# KiCad board Rogelio Pineda 3;16 AM-AMLDC-2044B.kicad_pcb (continued)
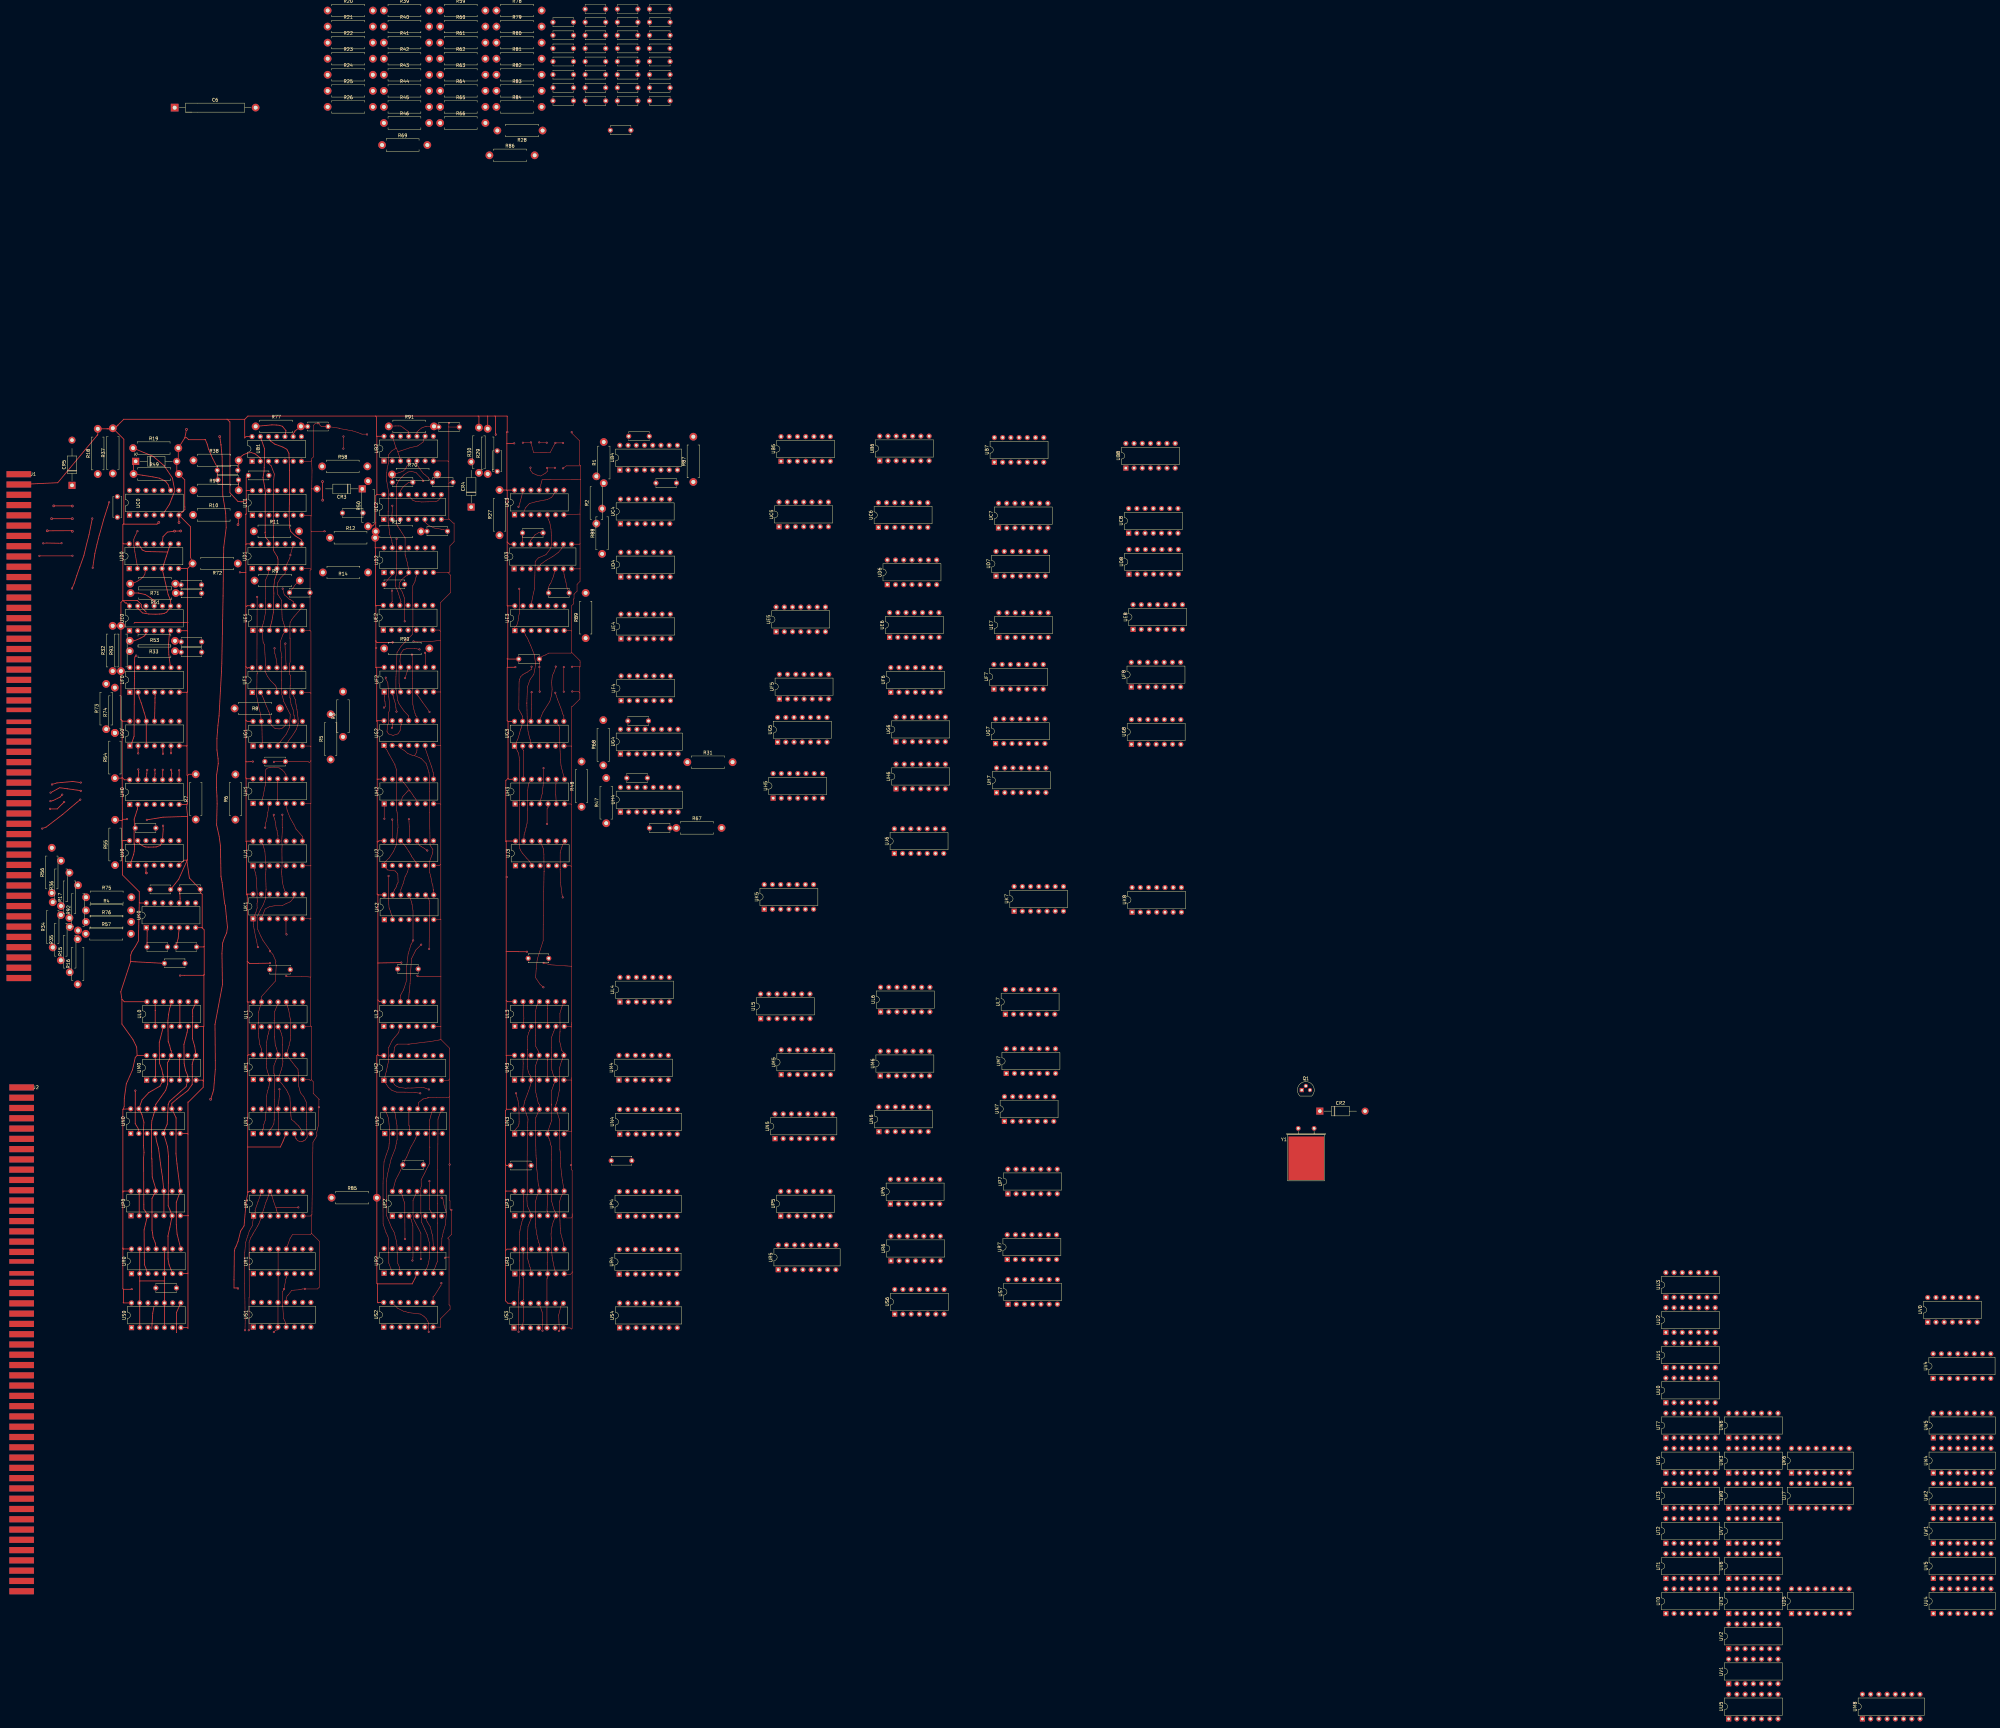
[diagram p0: board, top side]
## Routing (per net, layer and track width the routed paths; a pad name or vN(x,y) marks a point on that pad's centre or on a via; arc(x,y) is an arc through that point) (continued)
L3p10: length 7.6
  Top w0.15: UL3.5 239.07,219.42 239.05,219.44 239.07,219.46 UL3.10
L3p11: length 78.2
  Top w0.15: UR3.11 236.54,146.55 236.34,147.03 235.99,148.29 235.7,149.71 235.41,151.64 235.31,152.83 235.26,159.6 235.9,161.95 UP3.11 236.33,164.68 236.16,165.01 235.73,169.52 235.6,170.33 235.51,173.1 235.45,173.99 235.34,179 235.25,184.04 235.39,185.7 UN3.11 236.48,189.74 236.15,190.16 235.69,192.26 235.26,193.97 235.3,199.79 235.34,200.44 235.34,201.82 235.97,203.71 UM3.11 236.22,205.13 236.22,206.12 235.38,207.69 235.24,209.36 235.27,211.12 235.28,218.4 235.6,219.91 235.9,220.76 UL3.11
L3p13: length 7.7
  Top w0.15: UL3.2 231.71,216.29 231.57,219.6 231.71,221.23 UL3.13
M0p10: length 7.6
  Top w0.25: UM0.10 UM0.5
M0p13: length 7.6
  Top w0.25: 117.76,197.25 118.01,199.44 117.95,203.35 UM0.13
M2p2: length 12.7
  Top w0.15: UM2.2 191.76,195.83 192.34,195.43 193.14,195.04 195.12,194.76 195.85,194.83 197.15,194.82 200.13,194.98 200.78,194.97 201.62,194.65 v1(202.38,194.38) 202.48,194.28
M3p10: length 7.7
  Top w0.15: UM3.5 238.98,203.29 239.04,203.35 238.98,203.42 UM3.10
M3p13: length 7.6
  Top w0.15: UM3.2 231.49,202.51 231.44,203.54 231.49,203.89 UM3.13
N0p2: length 13.7
  Top w0.25: 111.88,194.07 111.85,194.04 v1(111.72,194.04) 111.72,193.91 111.71,193.91 111.7,183.82 112.76,182.03 UN0.2
N0p4: length 25.6
  Top w0.25: UN0.4 118.24,178.54 118.89,176.23 119.76,169.56 120.1,167.4 UP0.10 UP0.5
N1p4: length 13.8
  Top w0.15: 156.26,194.46 v1(156.23,194.46) 156.17,192.18 156.08,191.06 155.99,190.3 155.77,189.58 155.78,189.55 UN1.13 155.83,187.33 155.9,185.48 155.93,181.97 UN1.4
N1p7: length 36.1
  Top w0.15: UN1.7 162.75,182.33 162.31,182.83 162.14,183.14 161.43,183.75 160.91,184.34 159.89,185.15 159.77,186.34 159.46,192.11 ; 159.39,192.16 158.76,193.5 158.49,194.13 157.61,195.3 157.09,196.02 UM1.4 156.78,200.41 157.22,202.03 157.31,203 157.24,203.59 157.11,206.51 157.11,208.13 157.15,208.16 157.15,210.33 156.82,211.71 156.47,212.63 155.81,213.45 UL1.4
N2p5: length 19.6
  Top w0.15: UP2.14 191.55,164.21 191.71,165.02 192.09,166.39 193.6,169.31 C69.1 195.01,172.65 195.48,173.42 196.73,176.43 197.97,178.61 UN2.5
N2p9: length 51.4
  Top w0.15: 205.08,144.41 205.04,144.44 ; 205.04,144.44 205.04,141.29 204.72,140.65 204.37,139.6 203.79,138.33 UR2.7 ; 205.04,144.44 205.04,153.09 205.11,153.16 205.11,159.26 205.08,159.3 205.08,169.72 205.18,180.67 205.18,185.24 205.9,187.24 UN2.9
N2p10: length 52.6
  Top w0.15: UN2.10 203.35,187.61 202.91,186.08 202.61,184.88 202.49,182.89 202.51,182.79 202.58,176.63 202.7,176.52 202.63,176.45 202.56,171.47 201.68,169.8 201.05,168.5 199.99,166.46 200.01,164.54 199.85,163.78 199.9,163.73 199.9,156.16 199.85,156.11 199.94,156.02 200.13,153.42 201.12,151.2 201.86,149.51 202.49,147.14 202.49,142.19 202.35,141.21 202.1,140.19 201.72,139.11 201.25,138.42 UR2.6
N2p13: length 7.8
  Top w0.15: UN2.4 196.37,183.09 196.2,183.26 196.2,188.22 UN2.13
N2p15: length 52.2
  Top w0.15: UN2.15 191.91,187.22 192.42,183.89 192.53,183.32 192.56,178.93 192.31,177.81 192.07,176.35 190.72,172.92 189.67,168.5 189.24,166.1 189.22,161.35 189.33,155.36 190.31,153.09 190.79,151.83 191.69,150.18 192.39,147.41 192.51,146.33 192.58,143.8 192.6,143.56 192.79,140.62 193.35,139.32 193.51,137.73 UR2.3
N2p16: length 51.9
  Top w0.15: UN2.16 189.13,187.5 189.92,185.48 190.23,181.95 190.18,181.9 190.18,178.99 190.23,178.94 190.1,177.61 190.02,176.51 189.21,174.2 188.53,172.03 188.27,167.01 188.22,165.46 188.22,160.78 188.29,160.7 188.19,160.59 188.24,152.84 189.11,150.31 189.65,149.13 190,148.05 189.97,145.59 190,144.02 190,140.75 190.65,139 UR2.2
N3p1: length 13.3
  Top w0.15: 229.38,193.08 v1(229.27,193.19) 229.61,191.89 229.89,191 230.01,190.15 230.18,189.21 230.23,184.4 230.21,183.74 229.98,183.06 228.86,181.72 UN3.1
P0p13: length 7.6
  Top w0.25: UP0.13 UP0.2
P1p12: length 59.7
  Top w0.15: 155.08,157.94 155.28,157.46 155.36,156.98 ; 155.08,157.94 162.04,157.94 v1(162.06,157.97) 162.09,157.94 162.21,157.94 ; 155.08,157.94 154.42,159.84 153.99,161.25 UP1.12 152.43,160.45 152.05,159.56 151.54,157.94 151.21,156.95 UP1.2 149.9,152.98 149.52,152.25 148.78,151.01 148.13,149.95 147.9,149.47 147.37,148.61 146.86,147.24 146.91,130.22 146.84,130.15 146.84,120.11 v1(146.76,120.03) 146.84,119.95 146.84,119.93 ; 155.35,157.06 UP1.4
P1p13: length 43.9
  Top w0.15: UP1.13 149.6,159.68 148.69,157.05 148.76,156.58 UP1.1 147.85,152.31 146.92,150.66 146.5,149.36 145.78,147.11 145.53,143.99 145.5,134.33 145.65,122.92 v1(145.6,120.03) 145.63,119.93
P2p3: length 14.3
  Top w0.15: 197.23,141.46 197.3,141.53 v1(197.3,141.56) 197.33,141.56 197.43,141.66 197.43,142.58 197.46,142.61 197.46,145.85 197.43,145.89 197.43,152.28 196.92,154.2 UP2.3
P2p5: length 10.5
  Top w0.15: UP2.5 201.82,153.59 202.78,152.03 203.33,149.8 203.56,149.27 UR2.10
P2p6: length 11.2
  Top w0.15: 202.55,166.03 v1(202.53,166.08) 202.58,157.46 202.74,157.02 203.02,156.62 203.26,156.2 203.7,155.41 UP2.6
P2p11: length 21.9
  Top w0.15: 197.68,154.48 197.45,155.86 197.49,155.9 197.49,160.19 197.76,160.83 UP2.11 ; 199.91,141.81 v1(199.91,142.05) 199.91,149.99 197.65,154.4
P2p13: length 15.1
  Top w0.15: UP2.13 194.15,161.71 194.52,160.29 194.93,159.27 v1(195,148.19) 195.06,148.02
P3p10: length 7.7
  Top w0.15: UP3.5 239.08,156.67 238.86,156.89 UP3.10
P3p13: length 44.1
  Top w0.15: 231.44,154.46 UP3.2 231.55,159.78 231.53,161.51 231.46,162.39 UP3.13 ; 231.44,154.46 231.13,153.69 230.99,152.95 230.82,152.41 230.51,150.97 230.44,150.4 230.28,149.68 230.28,141.5 230.3,141.43 230.37,136.51 230.14,131.83 229.99,127.08 230.08,119.6 v1(230.08,119.55) 230.12,119.55 230.14,119.53 ; 231.44,154.46 231.35,154.12
R0p13: length 56.2
  Top w0.25: 120.71,135.32 UR0.5 UR0.10 ; 120.71,135.32 120.64,135.25 113.09,135.25 ; 120.71,135.32 120.71,128.47 US0.10 US0.5 ; 113.09,135.25 UR0.2 UR0.13 ; 113.09,135.25 113.09,128.47 US0.13 US0.2
R1p4: length 26.5
  Top w0.15: 154.45,119.42 154.48,119.45 v1(154.5,119.45) 154.5,119.47 155.11,120.08 155.54,120.08 155.54,120.76 US1.4 US1.13 155.82,128.66 UR1.4 UR1.13
R1p5: length 17
  Top w0.15: US1.5 158.06,122.48 157.5,123.73 157.24,127.75 157.17,127.82 157.17,132.01 157.67,132.52 157.67,132.73 v1(157.64,132.77) 157.67,132.81 158.18,135.77 158.36,136.2 UR1.5
R2p9: length 16.4
  Top w0.15: 206.44,160.81 v1(206.32,160.96) 206.72,160.53 206.86,159.6 207.09,158.47 207.43,157.33 207.79,156.29 207.47,152.6 206.75,150.12 206.6,149.1 206.38,148.45 UR2.9
R3p10: length 24.4
  Top w0.15: US3.5 US3.10 238.82,135.95 239.08,136.2 UR3.5 238.9,140.46 238.92,141.01 UR3.10
R3p13: length 24.9
  Top w0.15: UR3.13 231.46,143.76 231.57,143.64 231.46,143.52 UR3.2 231.46,136.04 231.61,135.89 231.61,129.61 231.68,129.54 231.2,129.07 US3.13 231.67,127.9 231.67,127.5 231.64,126.77 231.55,122.95 US3.2
R9p2: length 5
  Top w0.15: R9.2 162.36,351.52 161.19,350.35 160.58,349.49 C43.1
R10p2: length 3.2
  Top w0.25: 143.38,368.69 143.43,368.74 v2(143.43,368.79) 143.48,368.79 143.53,368.84 R10.2
R13p2: length 1.9
  Top w0.15: C15.1 201.71,366.69 R13.2
S0p8: length 9.5
  Top w0.25: 124.47,119.29 124.42,119.34 124.42,125.46 125.36,127.6 US0.8
S0p11: length 7
  Top w0.25: 117.49,127.37 117.11,125.3 116.8,120.38
S3p8: length 9.2
  Top w0.15: US3.8 243.9,128.1 243.14,127.47 242.46,124.72 242.64,119.93 242.51,119.8 v1(242.51,119.77) 242.47,119.77 242.41,119.7
S3p11: length 9
  Top w0.15: 237.53,119.79 237.45,119.87 v1(237.45,119.89) 237.43,119.89 237.41,119.91 237.5,123.2 237.35,125.64 236.73,127.45 236.28,127.71 US3.11
unconnected-(US2-CK-Pad8): length 6.9
  Top w0.15: US2.8 203.67,130.35 204.18,130.86 205.75,133.35 206.09,133.84 v1(206.23,134.57) 206.09,134.62
unconnected-(US2-Qh-Pad13): length 16.7
  Top w0.15: 202.33,119.29 v1(202.33,119.54) 202.33,122.19 201.62,123.54 200.95,124.23 199.8,125.02 195.98,125.48 195.17,125.8 194.57,125.88 192.67,126.86 US2.13

## Text on the board
User.Comments: B C D E | F G H J  K | P R S | L M N | F G H J K | L  M N | 0   1   2   3   4   5   6   7   8
